# Allegro board TDI_KU5P_QSFP28_CXP_V001-20240805_1841.brd (continued)
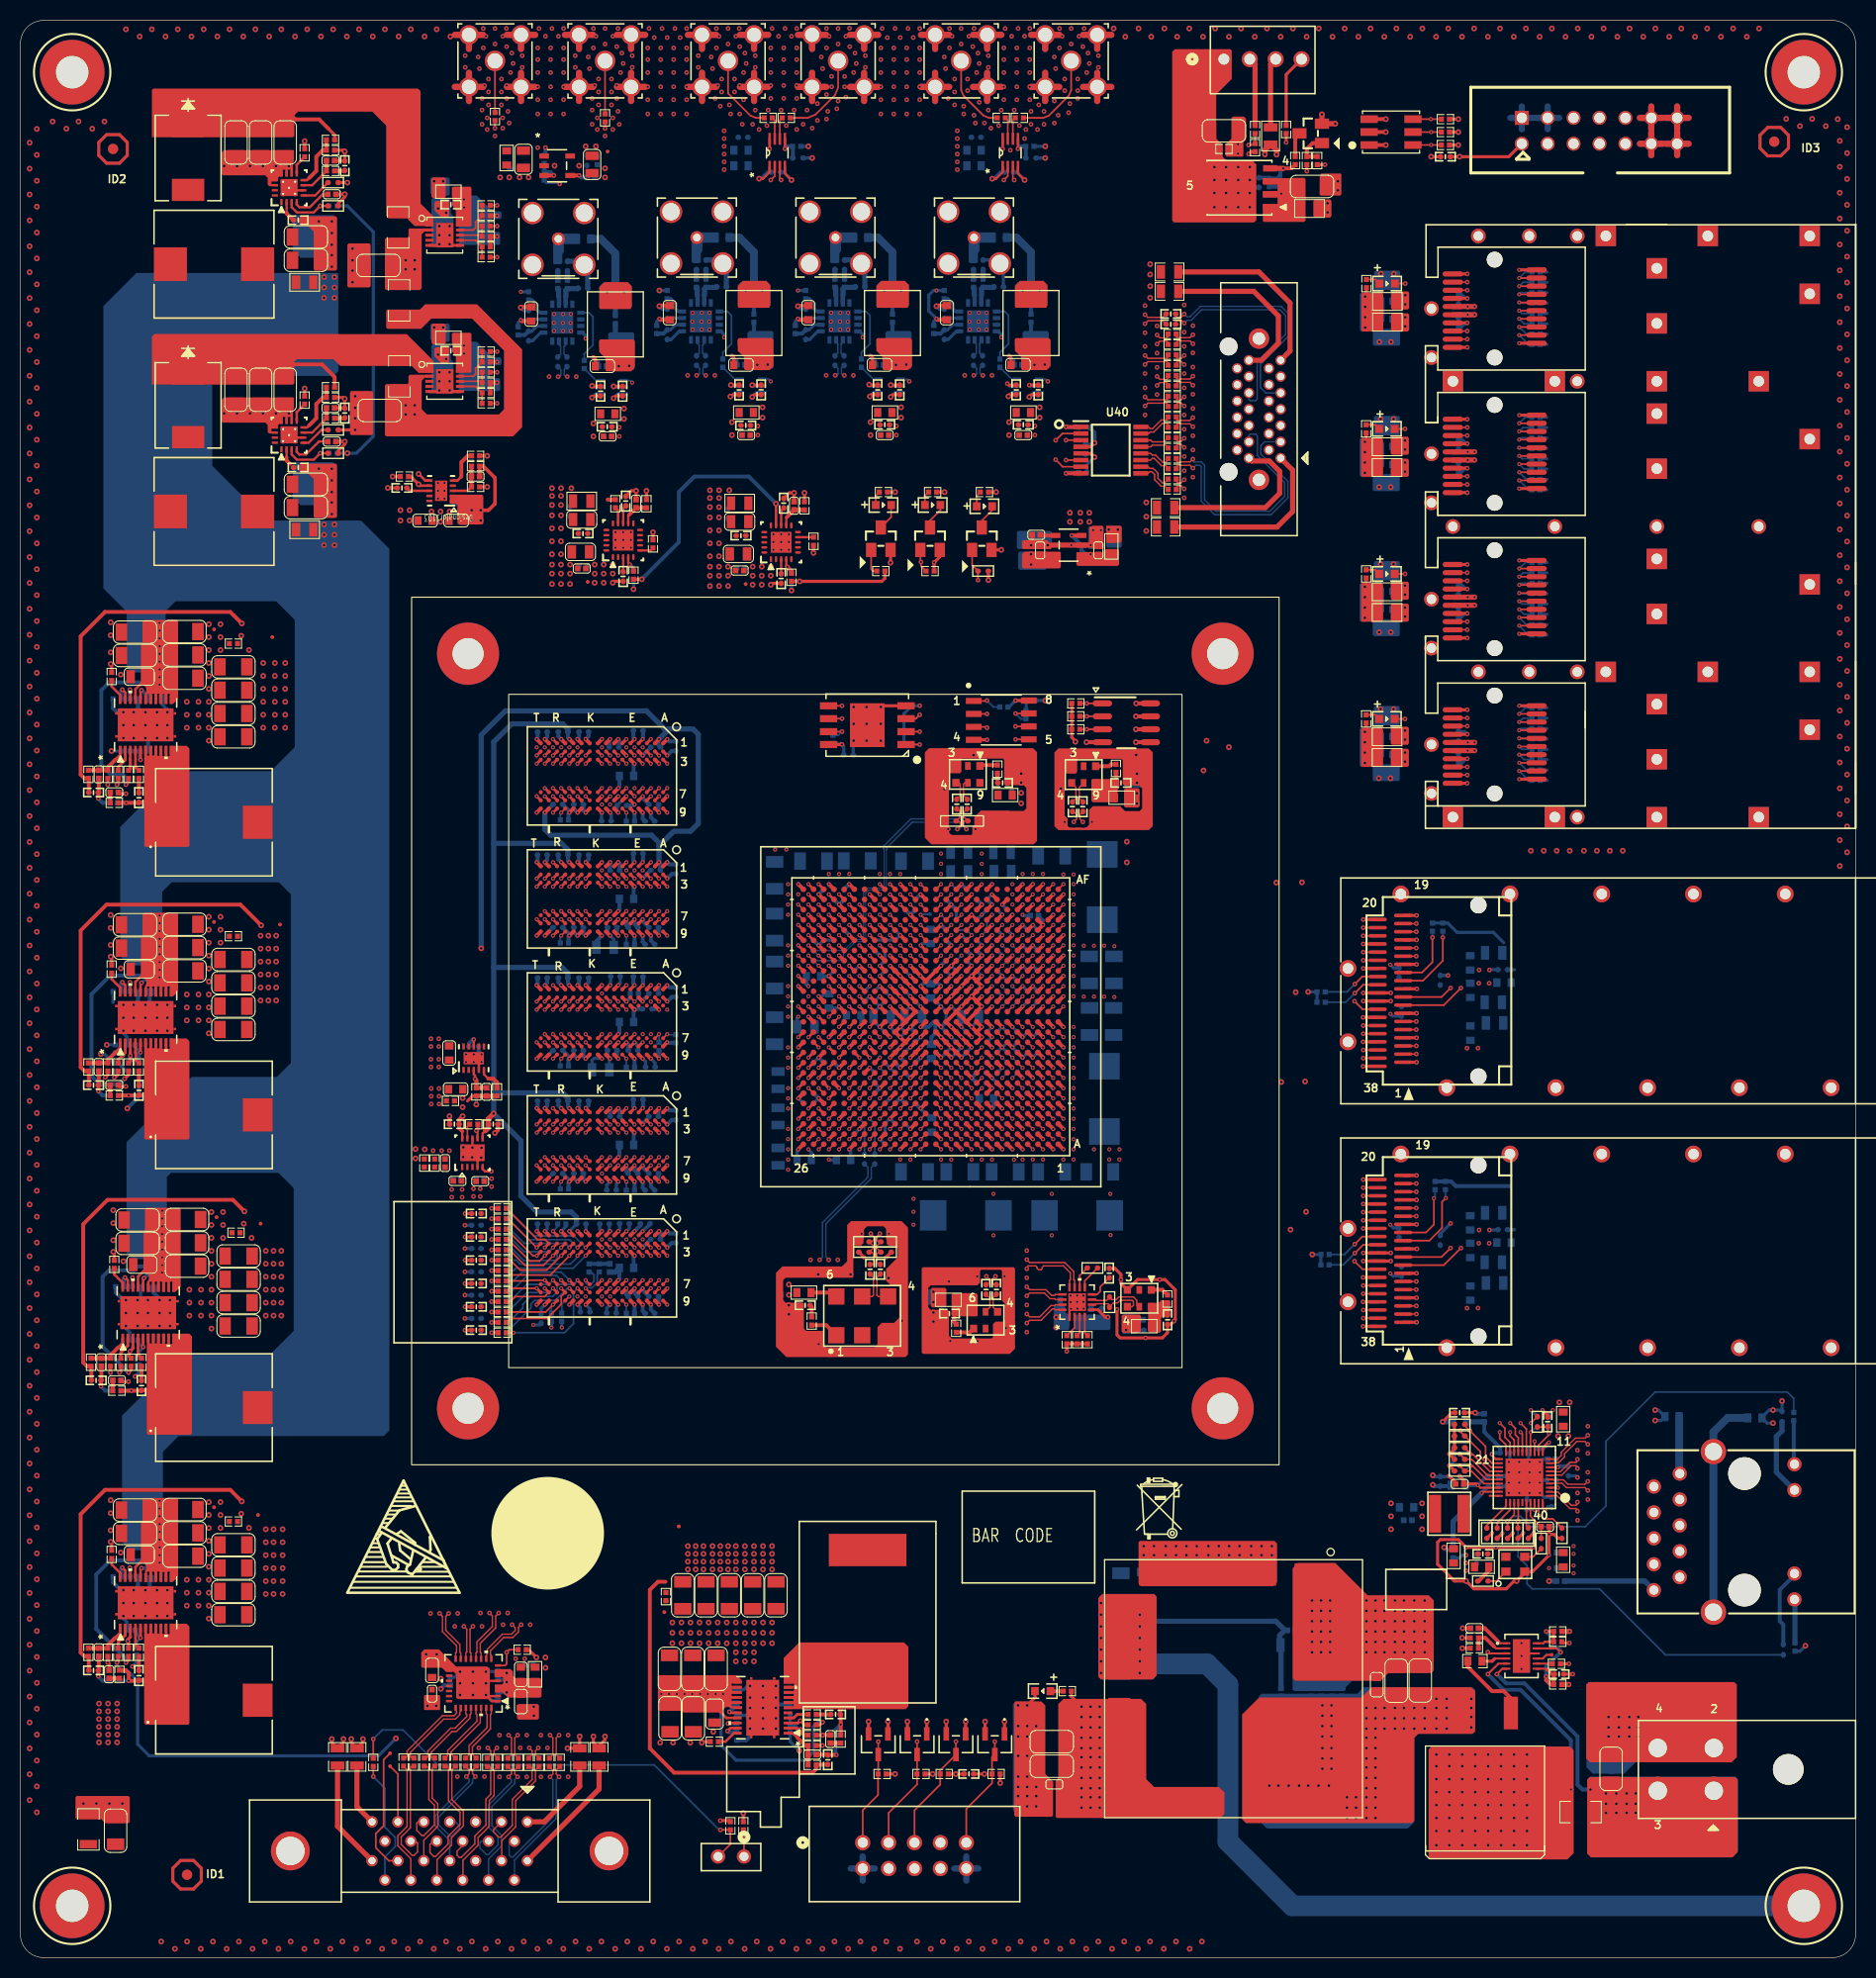
[diagram p0: board, top side]
## Routing (per net, layer and track width the routed paths; a pad name or vN(x,y) marks a point on that pad's centre or on a via; arc(x,y) is an arc through that point) (continued)
CHA_SFP+_2_LOS: length 111.5
  TOP w0.17: DS6.2 v2(135.8,149.94) ; P1.C8 v1(147.01,149.68) ; U1.D9 v1(94.3,82.28)
  ART03 w0.122: v1(94.3,82.28) 94.55,82.28 95.05,81.78 104.14,81.78 116.53,94.16 116.53,113 123.13,119.61 123.13,135.1 129.99,141.96 129.99,148.16 131.77,149.94 v2(135.8,149.94)
  ART12 w0.122: v1(147.01,149.68) 145,149.68 142.69,151.99 137.86,151.99 v2(135.8,149.94)
  BOTTOM w0.17: R133.2 147.39,150.06 v1(147.01,149.68)
CHA_SFP+_2_MOD_DETECT: length 105.1
  TOP w0.17: P1.C6 v1(147.01,148.08) ; U1.C9 v1(94.3,81.27)
  ART03 w0.122: v1(94.3,81.27) 94.3,81.25 94.78,80.77 103.78,80.77 116.91,93.9 116.91,112.88 123.51,119.48 123.51,134.98 129.14,140.6 138.23,140.6 140.35,142.72 142.46,142.72 142.89,143.15 142.89,143.97 v1(147.01,148.08)
  BOTTOM w0.17: R130.2 147.06,148.03 v1(147.01,148.08)
CHA_SFP+_2_RS0: length 3
  TOP w0.17: P1.C7 v1(147.01,148.88)
  BOTTOM w0.17: R131.2 147.17,149.05 v1(147.01,148.88)
CHA_SFP+_2_RS1: length 3.2
  TOP w0.17: P1.C9 v1(147.01,150.48)
  BOTTOM w0.17: R132.2 147.6,151.08 v1(147.01,150.48)
CHA_SFP+_2_RXD_N: length 75.9
  TOP w0.14: v2(141.91,150.08) 141.9,150.08 P1.C12
  TOP w0.17: U1.V1 v1(102.3,97.28)
  ART10 w0.102: v1(102.3,97.28) 102.09,97.28 arc(101.96,97.23) 101.9,97.09 101.9,96.97 arc(101.93,96.89) 102.01,96.86 103.77,96.86 103.83,96.91 103.85,96.91
  ART10 w0.114: v2(141.91,150.08) 141.78,149.95 arc(141.65,149.86) 141.5,149.83 141.27,149.83 arc(140.87,149.75) 140.53,149.53 arc(140.3,149.18) 140.22,148.78 140.22,148.62 arc(140.18,148.53) 140.09,148.5 arc(140.01,148.46) 139.97,148.37 139.97,148.17 arc(140.01,148.08) 140.09,148.04 arc(140.18,148) 140.22,147.91 140.22,147.52 arc(140.19,147.36) 140.09,147.22 130.21,137.34 arc(128.9,135.37) 128.44,133.05 128.44,123.5 arc(127.29,117.75) 124.03,112.87 108.27,97.11 108.11,96.95 arc(108.07,96.92) 108.03,96.91 103.85,96.91
CHA_SFP+_2_RXD_P: length 75.9
  TOP w0.14: P1.C13 v2(141.91,149.28)
  TOP w0.17: U1.V2 v1(101.3,97.28)
  ART10 w0.102: 103.85,96.61 103.83,96.61 103.77,96.66 102.01,96.66 arc(101.79,96.75) 101.7,96.97 101.7,97.09 arc(101.64,97.23) 101.51,97.28 v1(101.3,97.28)
  ART10 w0.114: v2(141.91,149.28) 141.78,149.41 arc(141.65,149.5) 141.5,149.53 141.27,149.53 arc(140.99,149.47) 140.75,149.31 140.75,149.31 arc(140.58,149.07) 140.53,148.78 140.53,147.52 arc(140.47,147.24) 140.31,147 130.43,137.12 arc(129.18,135.25) 128.74,133.05 128.74,123.5 arc(127.57,117.63) 124.25,112.65 108.33,96.73 arc(108.3,96.7) 108.27,96.68 arc(108.16,96.63) 108.03,96.61 103.85,96.61
CHA_SFP+_2_SCL: length 3
  TOP w0.17: P1.C5 v1(147.01,147.28)
  BOTTOM w0.17: R129.2 147.27,147.02 v1(147.01,147.28)
CHA_SFP+_2_SDA: length 3.1
  TOP w0.17: P1.C4 v1(147.01,146.48)
  BOTTOM w0.17: v1(147.01,146.48) 147.49,146 R128.2
CHA_SFP+_2_TX_DISABLE: length 105.9
  TOP w0.17: P1.C3 v1(147.01,145.68) ; U1.B9 v1(94.3,80.27)
  ART03 w0.122: v1(147.01,145.68) 146.43,145.1 146.43,142.25 144.67,140.49 143.17,140.49 141.49,138.81 128.02,138.81 123.89,134.68 123.89,119.1 117.29,112.5 117.29,93.74 103.32,79.78 94.8,79.78 v1(94.3,80.27)
  BOTTOM w0.17: v1(147.01,145.68) 147.7,144.98 R127.2
CHA_SFP+_2_TX_FAULT: length 106.9
  TOP w0.17: U1.A9 v1(94.3,79.28) ; P1.C2 v1(147.01,144.88)
  ART03 w0.122: v1(94.3,79.28) 94.73,79.28 95.23,78.78 103.7,78.78 103.83,78.9 103.83,79.73 117.67,93.57 117.67,112.24 124.27,118.85 124.27,134.44 127.88,138.05 141.62,138.05 143.53,139.95 144.85,139.95 147.51,142.62 147.51,144.37 v1(147.01,144.88)
  BOTTOM w0.17: R126.2 147.92,143.97 v1(147.01,144.88)
CHA_SFP+_2_TXD_N: length 74.6
  TOP w0.14: P1.C19 141.9,144.48 v2(141.91,144.48)
  TOP w0.17: U1.W4 v1(99.3,98.28)
  ART12 w0.102: v1(99.3,98.28) 99.05,98.28 arc(98.91,98.34) 98.85,98.48 98.85,98.5 arc(98.91,98.64) 99.05,98.7 100.46,98.7 101.04,98.66 103.57,98.66 103.62,98.6 103.65,98.6
  ART12 w0.114: 103.65,98.6 103.81,98.6 arc(103.89,98.59) 103.96,98.55 104.1,98.4 arc(104.27,98.29) 104.46,98.25 107.48,98.25 arc(107.68,98.29) 107.84,98.4 127.24,117.8 arc(128.15,119.15) 128.46,120.75 128.46,132.42 arc(129.03,135.25) 130.63,137.65 136.89,143.91 arc(137.79,144.51) 138.86,144.73 140.52,144.73 arc(140.59,144.7) 140.62,144.63 arc(140.65,144.56) 140.72,144.53 140.98,144.53 arc(141.05,144.56) 141.08,144.63 arc(141.11,144.7) 141.18,144.73 141.5,144.73 arc(141.65,144.7) 141.78,144.61 v2(141.91,144.48)
CHA_SFP+_2_TXD_P: length 74.6
  TOP w0.14: P1.C18 v2(141.91,145.28)
  TOP w0.17: U1.W5 v1(98.3,98.28)
  ART12 w0.102: v1(98.3,98.28) 98.48,98.28 arc(98.6,98.33) 98.65,98.44 98.65,98.5 arc(98.76,98.79) 99.05,98.9 100.47,98.9 100.76,98.88 101.04,98.86 103.57,98.86 103.62,98.91 103.65,98.91
  ART12 w0.114: 103.65,98.91 103.81,98.91 arc(104.01,98.87) 104.17,98.76 104.32,98.62 arc(104.38,98.57) 104.46,98.56 107.48,98.56 arc(107.56,98.57) 107.62,98.62 127.02,118.02 arc(127.86,119.27) 128.16,120.75 128.16,132.42 arc(128.74,135.37) 130.41,137.87 136.67,144.13 arc(137.68,144.8) 138.86,145.03 141.5,145.03 arc(141.65,145.06) 141.78,145.15 v2(141.91,145.28)
CHA_SFP+_3_LOS: length 121.9
  TOP w0.17: U1.F9 v1(94.3,85.28) ; P1.D8 v1(147.01,163.93) ; DS7.2 v2(135.83,164.19)
  ART03 w0.122: v2(135.83,164.19) 131.51,164.19 128.46,161.14 128.46,142.72 121.63,135.89 121.63,120.41 115,113.78 115,96.19 104.59,85.78 94.8,85.78 v1(94.3,85.28)
  ART12 w0.122: v1(147.01,163.93) 144.72,163.93 142.81,165.84 137.48,165.84 v2(135.83,164.19)
  BOTTOM w0.17: R141.2 147.39,164.31 v1(147.01,163.93)
CHA_SFP+_3_MOD_DETECT: length 113.6
  TOP w0.17: P1.D6 v1(147.01,162.33) ; U1.G10 v1(93.3,85.28)
  ART03 w0.122: v1(93.3,85.28) 93.8,84.78 104.13,84.78 115.38,96.03 115.38,113.62 122.01,120.25 122.01,135.73 128.84,142.56 128.84,149.45 133.04,153.64 136.62,153.64 139.84,156.87 142.08,156.87 142.53,157.33 142.53,158.17 146.7,162.33 v1(147.01,162.33)
  BOTTOM w0.17: v1(147.01,162.33) 147.06,162.28 R138.2
CHA_SFP+_3_RS0: length 3
  TOP w0.17: P1.D7 v1(147.01,163.13)
  BOTTOM w0.17: v1(147.01,163.13) 147.17,163.3 R139.2
CHA_SFP+_3_RS1: length 3.2
  TOP w0.17: P1.D9 v1(147.01,164.73)
  BOTTOM w0.17: v1(147.01,164.73) 147.6,165.33 R140.2
CHA_SFP+_3_RXD_N: length 88.2
  TOP w0.14: P1.D12 v2(141.91,164.33)
  TOP w0.17: U1.Y1 v1(102.3,99.28)
  ART10 w0.102: v1(102.3,99.28) 102.09,99.28 arc(101.96,99.23) 101.9,99.09 101.9,98.97 arc(101.93,98.89) 102.01,98.86 103.52,98.86 103.57,98.91 103.6,98.91
  ART10 w0.114: v2(141.91,164.33) 141.78,164.2 arc(141.65,164.12) 141.5,164.09 141.12,164.09 arc(140.85,164.03) 140.63,163.88 140.42,163.68 arc(140.27,163.45) 140.22,163.19 140.22,163.03 arc(140.19,162.95) 140.11,162.91 arc(140.01,162.87) 139.97,162.78 139.97,162.6 arc(140.01,162.5) 140.11,162.46 arc(140.19,162.42) 140.22,162.34 140.22,162.07 arc(140.1,161.49) 139.78,161 129.21,150.43 arc(127.72,148.2) 127.19,145.56 127.19,125 arc(125.94,118.7) 122.38,113.37 107.67,98.66 arc(107.63,98.64) 107.59,98.63 104.27,98.63 arc(104.21,98.64) 104.16,98.68 104.04,98.79 arc(103.91,98.88) 103.75,98.91 103.6,98.91
CHA_SFP+_3_RXD_P: length 88.2
  TOP w0.14: P1.D13 v2(141.91,163.53)
  TOP w0.17: U1.Y2 v1(101.3,99.28)
  ART10 w0.102: 103.6,98.61 103.57,98.61 103.52,98.66 102.01,98.66 arc(101.79,98.75) 101.7,98.97 101.7,99.09 arc(101.64,99.23) 101.51,99.28 v1(101.3,99.28)
  ART10 w0.114: v2(141.91,163.53) 141.78,163.66 arc(141.65,163.75) 141.5,163.78 141.12,163.78 arc(140.97,163.75) 140.85,163.66 140.64,163.46 arc(140.56,163.34) 140.53,163.19 140.53,162.07 arc(140.39,161.37) 139.99,160.78 129.43,150.21 arc(128,148.08) 127.5,145.56 127.5,125 arc(126.23,118.59) 122.59,113.15 108.27,98.83 107.89,98.44 arc(107.75,98.35) 107.59,98.32 104.27,98.32 arc(104.09,98.36) 103.94,98.46 103.88,98.52 103.83,98.57 arc(103.79,98.6) 103.75,98.61 103.6,98.61
CHA_SFP+_3_SCL: length 3.1
  TOP w0.17: P1.D5 v1(147.01,161.53)
  BOTTOM w0.17: R137.2 147.27,161.26 v1(147.01,161.53)
CHA_SFP+_3_SDA: length 3.1
  TOP w0.17: P1.D4 v1(147.01,160.73)
  BOTTOM w0.17: R136.2 147.49,160.25 v1(147.01,160.73)
CHA_SFP+_3_TX_DISABLE: length 113.1
  TOP w0.17: P1.D3 v1(147.01,159.93) ; U1.F10 v1(93.3,84.27)
  ART03 w0.122: v1(147.01,159.93) 145.27,159.93 143.09,157.76 143.09,157.07 142.18,156.16 139.92,156.16 136.9,153.14 133.17,153.14 129.23,149.19 129.23,142.41 122.39,135.58 122.39,120.09 115.76,113.46 115.76,95.87 103.66,83.78 93.8,83.78 v1(93.3,84.27)
  BOTTOM w0.17: R135.2 147.7,159.23 v1(147.01,159.93)
CHA_SFP+_3_TX_FAULT: length 115.2
  TOP w0.17: U1.E10 v1(93.3,83.28) ; P1.D2 v1(147.01,159.13)
  ART03 w0.122: v1(147.01,159.13) 146.12,158.24 146.12,155.37 145.56,154.81 143.75,154.81 141.51,152.57 133.48,152.57 129.61,148.69 129.61,142.25 122.78,135.42 122.78,119.94 116.14,113.31 116.14,94.34 104.58,82.78 93.94,82.78 93.44,83.28 v1(93.3,83.28)
  BOTTOM w0.17: R134.2 147.92,158.22 v1(147.01,159.13)
CHA_SFP+_3_TXD_N: length 85.2
  TOP w0.14: P1.D19 v2(141.91,158.73)
  TOP w0.17: U1.AA4 v1(99.3,100.28)
  ART12 w0.102: 103.65,100.61 103.62,100.61 103.57,100.66 101.04,100.66 100.46,100.7 99,100.7 arc(98.89,100.66) 98.85,100.55 98.85,100.48 arc(98.91,100.34) 99.05,100.28 v1(99.3,100.28)
  ART12 w0.114: v2(141.91,158.73) 141.78,158.86 arc(141.65,158.95) 141.5,158.98 141.12,158.98 arc(141.04,158.95) 141.01,158.86 arc(140.98,158.78) 140.89,158.75 140.67,158.75 arc(140.59,158.78) 140.55,158.86 arc(140.52,158.95) 140.44,158.98 138.7,158.98 arc(138.46,158.93) 138.27,158.8 128.22,148.76 arc(126.9,146.77) 126.43,144.43 126.43,121.39 arc(126.39,121.2) 126.28,121.03 106,100.75 arc(105.84,100.64) 105.64,100.61 103.65,100.61
CHA_SFP+_3_TXD_P: length 85.2
  TOP w0.14: P1.D18 v2(141.91,159.53)
  TOP w0.17: U1.AA5 v1(98.3,100.28)
  ART12 w0.102: v1(98.3,100.28) 98.48,100.28 arc(98.6,100.33) 98.65,100.45 98.65,100.55 arc(98.75,100.8) 99,100.9 100.47,100.9 100.76,100.88 101.04,100.86 103.57,100.86 103.62,100.91 103.65,100.91
  ART12 w0.114: 103.65,100.91 105.64,100.91 arc(105.72,100.93) 105.78,100.97 108.27,103.46 126.06,121.25 arc(126.11,121.32) 126.12,121.39 126.12,144.43 arc(126.61,146.89) 128.01,148.97 138.05,159.02 arc(138.35,159.22) 138.7,159.29 141.5,159.29 arc(141.65,159.32) 141.78,159.4 v2(141.91,159.53)
CHA_TEMP_ALERT: length 37.2
  TOP w0.17: U1.AA15 v1(87.29,100.28) ; U4.3 v2(104.59,120.47) R31.2
  ART10 w0.122: v2(104.59,120.47) 103.95,119.84 100.55,119.84 98.88,118.17 97.56,118.17 95.75,116.36 95.75,114.4 94.17,112.83 91.3,112.83 90.46,111.99 90.46,109.75 91.86,108.36 91.86,105 91.63,104.77 91.15,104.77 90.69,104.32 90.69,101.96 90.48,101.74 90.02,101.74 89.09,100.81 87.82,100.81 v1(87.29,100.28)
CHA_TEMP_SCL: length 35.4
  TOP w0.17: U4.2 v2(104.59,121.74) R30.2 ; U1.AB14 v1(88.29,101.28)
  ART10 w0.122: v2(104.59,121.74) 103.95,121.11 101.01,121.11 98.52,118.62 97.35,118.62 95.21,116.48 95.21,114.5 94,113.28 91.05,113.28 90.11,112.34 90.11,109.3 90.85,108.56 90.85,105.03 90.67,104.85 90.16,104.85 89.88,104.57 89.88,102.49 88.67,101.28 v1(88.29,101.28)
CHA_TEMP_SDA: length 37.6
  TOP w0.17: U4.1 v2(104.59,123.01) R29.2 ; U1.AB15 v1(87.29,101.28)
  ART10 w0.122: v1(87.29,101.28) 87.4,101.28 87.82,101.7 88.46,101.7 89.58,102.82 89.58,104.67 89.83,104.93 89.83,108.81 89.68,108.97 89.68,114.94 90.82,116.08 90.82,118.21 91.2,118.59 95.44,118.59 96.99,120.14 97.83,120.14 99.31,121.62 103.2,121.62 v2(104.59,123.01)
CHA_VCCAUX: length 10.3
  TOP w0.381: U1.T18 v1(84.29,95.28) ; v1(85.29,90.27) 84.8,90.77 U1.M18 ; U1.R18 v1(84.29,94.28) ; U1.N18 v1(84.29,91.27) ; U1.P18 v1(84.29,93.28)
  BOTTOM w0.305: C89.1 83.8,94.79 v1(84.29,95.28) ; v1(84.29,94.28) 83.8,93.79 C91.1 83.8,93.78 v1(84.29,93.28) ; v1(84.29,93.28) 84.79,93.78 U1.R18 ; v1(84.29,93.28) 83.67,92.66 C86.1 83.67,91.9 v1(84.29,91.27) 84.79,90.78 U1.M18 84.8,90.77 v1(85.29,90.27)
  vias: v1(97.3,105.28) v1(97.3,104.28) v1(97.3,103.28) v1(98.3,106.28)
CHA_VCCINT: length 121.5
  TOP w0.381: U1.L16 v1(86.29,89.28) U1.K17 v1(85.29,88.28) ; U1.L16 v1(87.29,90.27) U1.M15 ; U1.L16 86.79,89.78 v1(86.3,90.27) U1.M17 v1(86.29,91.27) U1.N16 ; U1.L9 93.8,89.78 v1(94.3,90.27) U1.M9 ; U1.N10 v1(93.3,91.27) U1.M9 ; U1.N10 U1.P9 v1(94.3,93.28) 94.29,93.28 U1.R9 ; U1.N10 U1.P11 ; U1.M13 v1(90.3,90.27) 90.3,90.27 U1.L12 v1(91.3,89.28) 91.8,88.78 U1.K11 v1(92.3,88.28) ; U1.N16 U1.P17 v1(85.29,93.28) ; U1.N16 86.8,91.78 U1.P15 v1(87.29,93.28) 87.29,93.28 U1.R16 v1(86.29,94.28) 86.29,94.28 U1.T17 v1(85.29,95.28) ; U1.U9 93.8,95.79 v1(94.29,96.28) ; U1.U9 93.79,95.78 v1(93.29,96.28) ; U1.U9 94.29,95.28 v1(94.3,95.28) U1.T9 93.3,94.28 v1(93.3,94.28) ; U1.R12 v1(91.3,94.28) U1.T11 v1(92.3,95.28) U1.U10 92.8,95.79 v1(93.29,96.28) ; v1(90.3,97.28) U1.V13 U1.U14 v1(88.29,96.28) U1.V15 v1(87.29,97.28) ; v1(93.3,94.28) 93.8,93.78 U1.R9 ; v1(93.3,94.28) U1.R10 v1(92.3,93.28) U1.P11 ; U1.R9 v1(94.3,94.28) ; U1.P11 91.8,92.78 U1.N12 v1(91.3,91.27) 91.8,90.78 U1.M11 v1(92.3,90.27) 92.3,90.27 U1.L10 v1(93.3,89.28) ; v1(92.3,97.28) U1.V11 91.3,96.28 v1(91.3,96.28) U1.U12 ; U1.T15 v1(87.29,95.28) 87.29,95.28 U1.U16 v1(86.29,96.28) U1.V17 85.8,96.78 v1(85.3,97.28) ; U1.L14 v1(88.29,89.28) U1.K15 v1(87.29,88.28) ; v1(93.29,96.28) 93.3,96.28 U1.V9 v1(94.3,97.28) ; 63.26,36.86 62.53,36.86 61.74,36.07 61.74,20.52 64.12,18.14 77.68,18.14 78.06,18.52 R191.1 78.1,18.94 C337.2 ; U1.M9 93.8,90.78 v1(94.3,91.27) U1.N9 ; U1.K13 v1(90.3,88.28)
  BOTTOM w0.305: 94.01,91.98 v1(93.3,91.27) ; 94.01,91.98 C67.1 94.01,92.99 v1(94.3,93.28) ; 94.01,91.98 94.01,91.57 v1(94.3,91.27) ; U1.V9 93.8,96.78 v1(94.29,96.28) ; U1.V9 v1(94.3,97.28) ; U1.V9 93.79,96.78 v1(93.29,96.28) 93.29,96.27 v1(92.3,95.28) U1.T11 C71.1 91.74,94.72 v1(91.3,94.28) ; v1(91.3,91.27) 91.8,90.78 U1.M11 v1(92.3,90.27) ; v1(85.3,97.28) 85.8,96.78 U1.V17 v1(86.29,96.28) ; C85.1 90.86,95.84 v1(91.3,96.28) 90.8,96.78 C82.1 ; v1(94.3,95.28) U1.T9 C84.1 93.74,94.72 v1(93.3,94.28) ; v1(90.3,88.28) 90.8,88.77 90.8,88.78 90.8,88.78 v1(91.3,89.28) ; v1(86.3,90.27) 86.8,90.77 C72.1 86.79,90.78 v1(86.29,91.27) 86.72,91.7 C68.1 86.72,92.71 v1(87.29,93.28) 86.8,93.78 U1.R16 v1(86.29,94.28) 85.8,94.78 U1.T17 v1(85.29,95.28) ; U1.L12 90.79,89.78 v1(90.3,90.27) ; v1(88.29,96.28) U1.V15 C81.1 87.74,96.84 v1(87.29,97.28) ; v1(87.29,90.27) U1.L16 v1(86.29,89.28) U1.K17 v1(85.29,88.28) ; v1(87.29,95.28) 87.74,94.84 C74.1 ; v1(93.3,89.28) 92.8,88.78 C70.1 92.74,88.71 v1(92.3,88.28)
  BOTTOM w0.381: R7.1 90.78,97.76 v1(90.3,97.28)
  vias: v1(75.29,95.28) v1(75.29,94.28) v1(75.29,93.28) v1(75.29,92.28) v1(90.3,78.28) v1(91.3,78.28) v1(95.44,74.9) v1(95.44,70.84) v1(101.16,74.9) v1(101.16,70.84) v1(104.3,99.24) v1(105.3,99.24) v1(105.3,79.28) v1(106.3,99.24) v1(106.79,78.28) v1(106.8,79.28) v1(107.29,99.2) v1(107.79,78.28) v1(107.8,79.28) v3(65.47,40.36) v3(65.47,39.6) v3(65.47,38.84) v3(65.47,38.07) v3(66.23,40.36) v3(66.23,39.6) v3(66.23,38.84) v3(66.23,38.07) v3(67,40.36) v3(67,39.6) v3(67,38.84) v3(67,38.07) v3(67.88,40.36) v3(67.88,39.6) v3(67.88,38.84) v3(67.88,38.07) v3(68.65,40.36) v3(68.65,39.6) v3(68.65,38.84) v3(68.65,38.07) v3(69.41,40.36) v3(69.41,39.6) v3(69.41,38.84) v3(69.41,38.07) v3(70.17,40.36) v3(70.17,39.6) v3(70.17,38.84) v3(70.17,38.07) v3(71.06,40.36) v3(71.06,39.6) v3(71.06,38.84) v3(71.06,38.07) v3(71.95,40.36) v3(71.95,39.6) v3(71.95,38.84) v3(71.95,38.07) v3(72.84,40.36) v3(72.84,39.6) v3(72.84,38.84) v3(72.84,38.07) v3(73.73,40.36) v3(73.73,39.6) v3(73.73,38.84) v3(73.73,38.07)
CHA_VCCINT_EN: length 4.6
  TOP w0.279: v2(76.52,22.38) 76.22,22.38 76.08,22.51 U21.2
  TOP w0.381: v2(76.52,22.38) 76.52,22.2 76.9,21.82 R201.2
  BOTTOM w0.305: C351.1 R200.2
  BOTTOM w0.381: v2(76.52,22.38) 76.34,22.38 75.86,22.85 R200.2
CHA_VCCINT_GOOD: length 81.2
  TOP w0.279: U21.3 76.26,23.01 v2(76.49,23.24) 76.9,22.83 R199.2
  TOP w0.305: R253.2 9.59,29.06 v2(9.46,28.93)
  ART10 w0.305: v3(36.83,21.5) 39.49,18.85 72.1,18.85 v2(76.49,23.24)
  BOTTOM w0.305: v3(36.83,21.5) 35.12,19.79 12.64,19.79 11.5,20.93 11.5,27.15 10.61,28.04 10.02,28.04 9.46,28.6 v2(9.46,28.93)
CLK_SEL: length 141.3
  TOP w0.17: v2(68.67,12.53) R26.1 69.64,11.13 J2.2 ; U1.J15 v1(87.29,87.27) ; R384.1 v2(34.61,21.44)
  ART03 w0.122: v2(34.61,21.44) 34.61,31.34 40.83,37.57 52.54,37.57 77.43,62.46 77.43,64.91 81.03,68.5 81.03,71.44 83.39,73.8 83.39,78.68 83.68,78.97 83.68,86.38 84.01,86.72 86.73,86.72 v1(87.29,87.27)
  BOTTOM w0.17: v2(68.67,12.53) 68.54,12.53 62.17,18.9 40.96,18.9 37.53,22.33 35.5,22.33 v2(34.61,21.44)
DDR4_1V2: length 210.9
  TOP w0.267: U6.J2 v1(57.04,117.9)
  TOP w0.305: U6.B9 v1(62.64,112.3) ; U7.A9 v1(63.44,76.1) ; U5.A9 v1(63.44,100.23) ; U9.D1 v1(61.04,71.24) ; U7.C1 v1(61.84,83.31) ; U9.A9 v1(63.44,64.04) ; U5.B9 v1(62.64,100.23) ; U8.D1 v1(61.04,95.37) ; U5.C1 v1(61.84,107.44) ; U8.A9 v1(63.44,88.17) ; U6.D1 v1(61.04,119.5) ; U6.A9 v1(63.44,112.3) ; U5.D1 v1(61.04,107.44) ; U6.C1 v1(61.84,119.5) ; U8.B9 v1(62.64,88.17) ; U7.D1 v1(61.04,83.31)
  TOP w0.381: U7.F8 v1(59.44,77.7) ; C387.2 6.71,86.91 R228.1 6.29,86.95 5.91,87.33 5.91,100.74 8.45,103.28 21.58,103.28 v3(23.61,101.24) ; U9.J9 v1(57.04,64.04) ; U5.T9 v1(50.64,100.23) ; U7.B3 v1(62.64,80.91) ; U9.J8 v1(57.04,65.64) ; U7.J1 v1(57.04,83.31) ; v1(54.64,119.5) U6.L1 ; U7.F2 v1(59.44,81.71) ; U6.J8 v1(57.04,113.9) ; U5.A1 v1(63.44,107.44) ; U5.J8 v1(57.04,101.83) ; U9.J1 v1(57.04,71.24) ; U5.G7 v1(58.64,102.64) ; U6.A1 v1(63.44,119.5) ; U8.T9 v1(50.64,88.17) ; U9.R1 v1(51.44,71.24) ; U5.L9 v1(54.64,100.23) ; U8.J1 v1(57.04,95.37) ; U7.G7 v1(58.64,78.51) ; U8.J9 v1(57.04,88.17) ; U8.D9 v1(61.04,88.17) ; U9.C1 v1(61.84,71.24) ; U9.G1 v1(58.64,71.24) ; U9.D9 v1(61.04,64.04) ; U1.P22 v1(80.29,93.28) ; U7.T9 v1(50.64,76.1) ; U8.B3 v1(62.64,92.97) ; U7.R1 v1(51.44,83.31) ; U7.J8 v1(57.04,77.7) ; U1.J22 v1(80.29,87.27) ; U5.B3 v1(62.64,105.04) ; U5.D9 v1(61.04,100.23) ; U8.F2 v1(59.44,93.77) ; U6.F8 v1(59.44,113.9) ; U7.G1 v1(58.64,83.31) ; U9.B3 v1(62.64,68.84) ; U1.AA21 v1(81.29,100.28) ; U9.F2 v1(59.44,69.64) ; U8.J2 v1(57.04,93.77) ; U9.A1 v1(63.44,71.24) ; U6.G9 v1(58.64,112.3) ; U9.L9 v1(54.64,64.04) ; U7.A1 v1(63.44,83.31) ; U6.G7 v1(58.64,114.7) ; U5.G1 v1(58.64,107.44) ; U8.G9 v1(58.64,88.17) ; U7.B9 v1(62.64,76.1) ; U6.J1 v1(57.04,119.5) ; U6.J9 v1(57.04,112.3) ; U6.D9 v1(61.04,112.3) ; U5.J9 v1(57.04,100.23) ; U9.J2 v1(57.04,69.64) ; U5.G9 v1(58.64,100.23) ; U6.F2 v1(59.44,117.9) ; U8.F8 v1(59.44,89.77) ; U7.L9 v1(54.64,76.1) ; U8.R1 v1(51.44,95.37) ; v1(54.64,95.37) U8.L1 ; U8.L9 v1(54.64,88.17) ; U8.G1 v1(58.64,95.37) ; U8.G7 v1(58.64,90.57) ; U9.T9 v1(50.64,64.04) ; U5.J2 v1(57.04,105.84) ; U6.T9 v1(50.64,112.3) ; U1.AD22 v1(80.29,103.28) ; U9.G9 v1(58.64,64.04) ; U1.Y24 v1(78.29,99.28) ; U9.F8 v1(59.44,65.64) ; U1.U23 v1(79.29,96.28) ; U7.J2 v1(57.04,81.71) ; U5.F2 v1(59.44,105.84) ; U7.G9 v1(58.64,76.1) ; v1(54.64,71.24) U9.L1 ; U5.F8 v1(59.44,101.83) ; U5.R1 v1(51.44,107.44) ; U7.J9 v1(57.04,76.1) ; U5.J1 v1(57.04,107.44) ; U6.B3 v1(62.64,117.1) ; U1.H25 v1(77.29,86.28) ; U1.E24 v1(78.29,84.28) ; v1(54.64,83.31) U7.L1 ; U9.B9 v1(62.64,64.04) ; U8.J8 v1(57.04,89.77) ; U8.C1 v1(61.84,95.37) ; U1.AB18 v1(84.29,101.28) ; U8.A1 v1(63.44,95.37) ; v1(54.64,107.44) U5.L1 ; U7.D9 v1(61.04,76.1) ; U6.G1 v1(58.64,119.5) ; U6.L9 v1(54.64,112.3) ; U6.R1 v1(51.44,119.5) ; U9.G7 v1(58.64,66.44)
  ART12 w0.381: v3(10.48,83.29) 11.47,84.28 11.47,86.08 9.34,88.21 9.34,90.22 8.09,91.47 8.09,102.77 8.73,103.4 21.45,103.4 v3(23.61,101.24)
  BOTTOM w0.305: v1(58.64,64.04) 58.45,63.85 C194.1 ; v1(79.29,96.28) 79.77,96.76 R49.2 ; U1.H25 v1(77.29,86.28) ; C193.1 51.67,71.47 v1(51.44,71.24) ; R68.1 v1(52.09,61.8) ; v1(76.29,92.28) 76.18,92.16 C34.1 ; C45.1 77.8,83.78 v1(78.29,84.28) ; v1(54.64,64.04) 54.92,63.76 C192.1 ; v1(57.04,112.3) 57,112.26 C158.1 ; C35.1 81.03,92.55 v1(80.29,93.28) 80.14,93.13 C30.1 ; C179.1 56.06,87.99 56.28,88.21 57,88.21 v1(57.04,88.17) ; C165.1 58.45,75.92 v1(58.64,76.1) ; C196.1 56.82,71.46 v1(57.04,71.24) ; v1(61.04,88.17) 61.32,87.89 C189.1 ; U1.AB18 v1(84.29,101.28) ; v1(58.64,95.37) 58.83,95.56 C184.1 ; v1(58.64,112.3) 58.52,112.41 C152.1 58.54,113 v1(59.44,113.9) ; v1(58.64,71.24) 58.78,71.38 C195.1 ; v1(78.29,99.28) 78.81,99.79 R50.2
  BOTTOM w0.381: v1(54.64,88.17) 54.28,88.53 C181.1 ; v1(62.64,92.97) 62.57,93.04 C185.1 ; C180.1 58.75,90.68 v1(58.64,90.57) ; C198.1 62.59,64.09 v1(62.64,64.04) ; v1(58.64,78.51) 58.75,78.62 C162.1 ; v1(62.64,88.17) 62.63,88.18 R61.2 ; C171.1 59.44,77.09 v1(59.44,77.7) ; C197.1 61.04,63.43 v1(61.04,64.04) ; C139.1 61.04,99.62 v1(61.04,100.23) ; v1(51.44,95.37) 51.67,95.6 C182.1 ; v1(57.04,100.23) 56.49,99.69 C135.1 ; v1(61.04,71.24) 61.75,71.95 C201.1 ; C200.1 63.65,71.03 v1(63.44,71.24) ; v1(61.04,112.3) 61.04,111.69 C154.1 ; C164.1 54.28,76.46 v1(54.64,76.1) ; C36.1 v1(81.29,100.28) ; C151.1 54.79,119.65 v1(54.64,119.5) ; v1(59.44,93.77) 59.81,94.15 R60.1 ; v1(58.64,88.17) 58.52,88.28 C186.1 ; v1(61.04,76.1) 61.04,75.49 C168.1 ; v1(54.64,83.31) 54.79,83.46 C167.1 ; v1(63.44,107.44) 63.65,107.23 C144.1 ; C157.1 62.59,112.35 v1(62.64,112.3) ; C31.1 77.8,84.78 v1(78.29,84.28) ; v1(80.29,87.27) 79.8,87.77 C32.1 ; R238.1 11.62,84.43 v3(10.48,83.29) ; C166.1 58.78,83.16 v1(58.64,83.31) ; v1(58.64,66.44) 58.75,66.55 C191.1 ; C38.1 v1(80.29,103.28) 80.79,103.78 C43.1 ; v1(54.64,95.37) 54.79,95.52 C183.1 ; C149.1 54.28,112.66 v1(54.64,112.3) ; C188.1 63.65,95.16 v1(63.44,95.37) ; C138.1 54.28,100.59 v1(54.64,100.23) ; v1(62.64,100.23) 62.59,100.28 C143.1 ; C199.1 59.44,65.03 v1(59.44,65.64) ; C163.1 51.67,83.53 v1(51.44,83.31) ; v1(79.29,96.28) 79.25,96.24 C42.1 ; v1(62.64,76.1) 62.59,76.15 C169.1 ; C170.1 63.65,83.1 v1(63.44,83.31) ; v1(54.64,107.44) 54.79,107.59 C142.1 ; C140.1 58.52,100.35 v1(58.64,100.23) ; C172.1 61.06,83.33 v1(61.04,83.31) ; v1(51.44,107.44) 51.67,107.66 C137.1 ; C148.1 58.75,114.81 v1(58.64,114.7) ; C187.1 59.62,89.59 v1(59.44,89.77) ; v1(58.64,107.44) 58.78,107.29 C141.1 ; v1(63.44,119.5) 63.65,119.29 C155.1 ; C153.1 58.7,119.44 v1(58.64,119.5) ; v1(61.04,95.37) 61.06,95.4 C190.1 ; v1(61.04,107.44) 61.06,107.46 C145.1 ; v1(61.04,119.5) 61.06,119.53 C156.1 ; C136.1 58.75,102.75 v1(58.64,102.64) ; v1(59.44,101.83) 59.44,101.22 C146.1 ; v1(51.44,119.5) 51.67,119.73 C150.1 ; C33.1 v1(78.29,99.28)
  BOTTOM w0.508: C191.1 58.35,67.24 C223.2
  vias: v1(75.29,85.28) v1(75.29,84.27) v1(75.29,83.27) v2(43.32,75.34) v2(43.32,74.57) v3(23.56,100.23) v3(23.56,98.96) v3(23.56,97.69) v3(23.56,96.42) v3(23.56,95.15) v3(23.56,93.88) v3(24.32,100.23) v3(24.32,98.96) v3(24.32,97.69) v3(24.32,96.42) v3(24.32,95.15) v3(24.32,93.88) v3(25.09,100.23) v3(25.09,98.96) v3(25.09,97.69) v3(25.09,96.42) v3(25.09,95.15) v3(25.09,93.88) v3(38.75,79.3) v3(38.75,78.38) v3(39.66,79.27)
DDR4_1V2_EN: length 3.1
  TOP w0.279: U25.2 10.28,88.75 v2(10.05,88.52) 9.59,88.06 R261.1
  BOTTOM w0.381: v2(10.05,88.52) 9.84,88.73 R260.1
DDR4_1V2_GOOD: length 2.8
  TOP w0.279: U25.3 10.78,88.88
  TOP w0.305: R237.2 10.78,87.93 v2(10.78,88.45) 10.78,88.88
  BOTTOM w0.381: v2(10.78,88.45) 10.78,87.93 R237.2
DDR4_200M_N: length 2.1
  TOP w0.14: X1.5 92.63,115.23 92.5,115.1 92.5,113.95 C40.1
DDR4_200M_P: length 2.1
  TOP w0.14: X1.4 92.05,115.23 92.18,115.1 92.18,113.94 C39.1
EEPROM_CS_B: length 26.1
  TOP w0.17: v2(94.81,123.29) 94.76,123.25 U3.1 ; U1.AF14 v1(88.29,105.28)
  ART10 w0.122: v1(88.29,105.28) 88.29,107.68 87.77,108.2 87.77,115.98 88.89,117.09 88.89,119.79 92.4,123.29 v2(94.81,123.29)
  BOTTOM w0.17: R24.2 95.44,122.66 v2(94.81,123.29)
EEPROM_SCK: length 27.2
  TOP w0.17: U1.AD14 v1(88.29,103.28) ; U3.6 v2(97.6,120.75)
  ART10 w0.122: v2(97.6,120.75) 96.84,120.75 96.18,120.09 91.46,120.09 90.22,118.86 90.22,116.17 89.12,115.06 89.12,108.89 89.47,108.53 89.47,105 89.19,104.72 89.19,103.66 88.82,103.28 v1(88.29,103.28)
EEPROM_SI: length 26.9
  TOP w0.17: 98.91,119.48 v2(97.6,119.48) ; U1.W12 v1(91.3,98.28)
  ART05 w0.122: v1(91.3,98.28) 91.66,98.28 92.17,98.79 92.41,98.79 92.78,99.16 92.78,99.54 93.01,99.78 93.64,99.78 93.77,99.9 93.77,105.61 93.92,105.77 94.53,105.77 97.08,108.32 97.08,118.96 v2(97.6,119.48)
EEPROM_SO: length 26.2
  TOP w0.17: U3.2 v2(94.81,121.98) ; U1.AD15 v1(87.29,103.28)
  ART10 w0.122: v2(94.81,121.98) 91.92,121.98 89.36,119.42 89.36,116.88 88.23,115.75 88.23,108.31 88.81,107.72 88.81,105.18 88.46,104.83 88.08,104.83 87.87,104.62 87.87,104.22 87.29,103.63 v1(87.29,103.28)
EEPROM_WP_B: length 30.1
  TOP w0.17: U1.Y16 v1(86.29,99.28) ; v2(94.81,120.62) 94.72,120.71 U3.3
  ART10 w0.122: v2(94.81,120.62) 91.2,120.62 89.79,119.21 89.79,116.6 88.69,115.49 88.69,108.71 89.14,108.25 89.14,105.13 88.81,104.8 88.81,103.94 88.66,103.78 88,103.78 87.82,103.61 87.82,102.08 87.57,101.83 87.06,101.83 86.81,101.57 86.81,99.8 86.29,99.28 v1(86.29,99.28)
FPGA_25M_OSC_ETH: length 4
  TOP w0.17: R173.2 149.16,42.25 C319.1 148.11,43.3 U19.37
FPGA_ETH_LED0: length 3
  TOP w0.17: U19.32 146.11,43.91 144.85,42.65 R183.1
FPGA_ETH_LED1: length 42.3
  TOP w0.17: U19.33 146.51,43.42 v2(145.86,42.77) R186.1
  BOTTOM w0.17: R189.1 173.93,54.84 173.29,55.47 160.34,55.47 155.51,50.65 155.51,44.3 153.48,42.27 148.15,42.27 147.13,43.28 146.37,43.28 v2(145.86,42.77)
FPGA_ETH_LED2: length 37
  TOP w0.17: U19.34 146.91,43.03 146.88,42.99 v2(146.88,42.77) R184.1
  BOTTOM w0.17: v2(146.88,42.77) 146.88,39.34 147.77,38.46 147.77,36.68 148.28,36.17 154.88,36.17 161.36,29.69 R187.2
